# Altium PCB LimeSDR-Micro_1v2.PcbDoc (part 7 of 9) (continued)
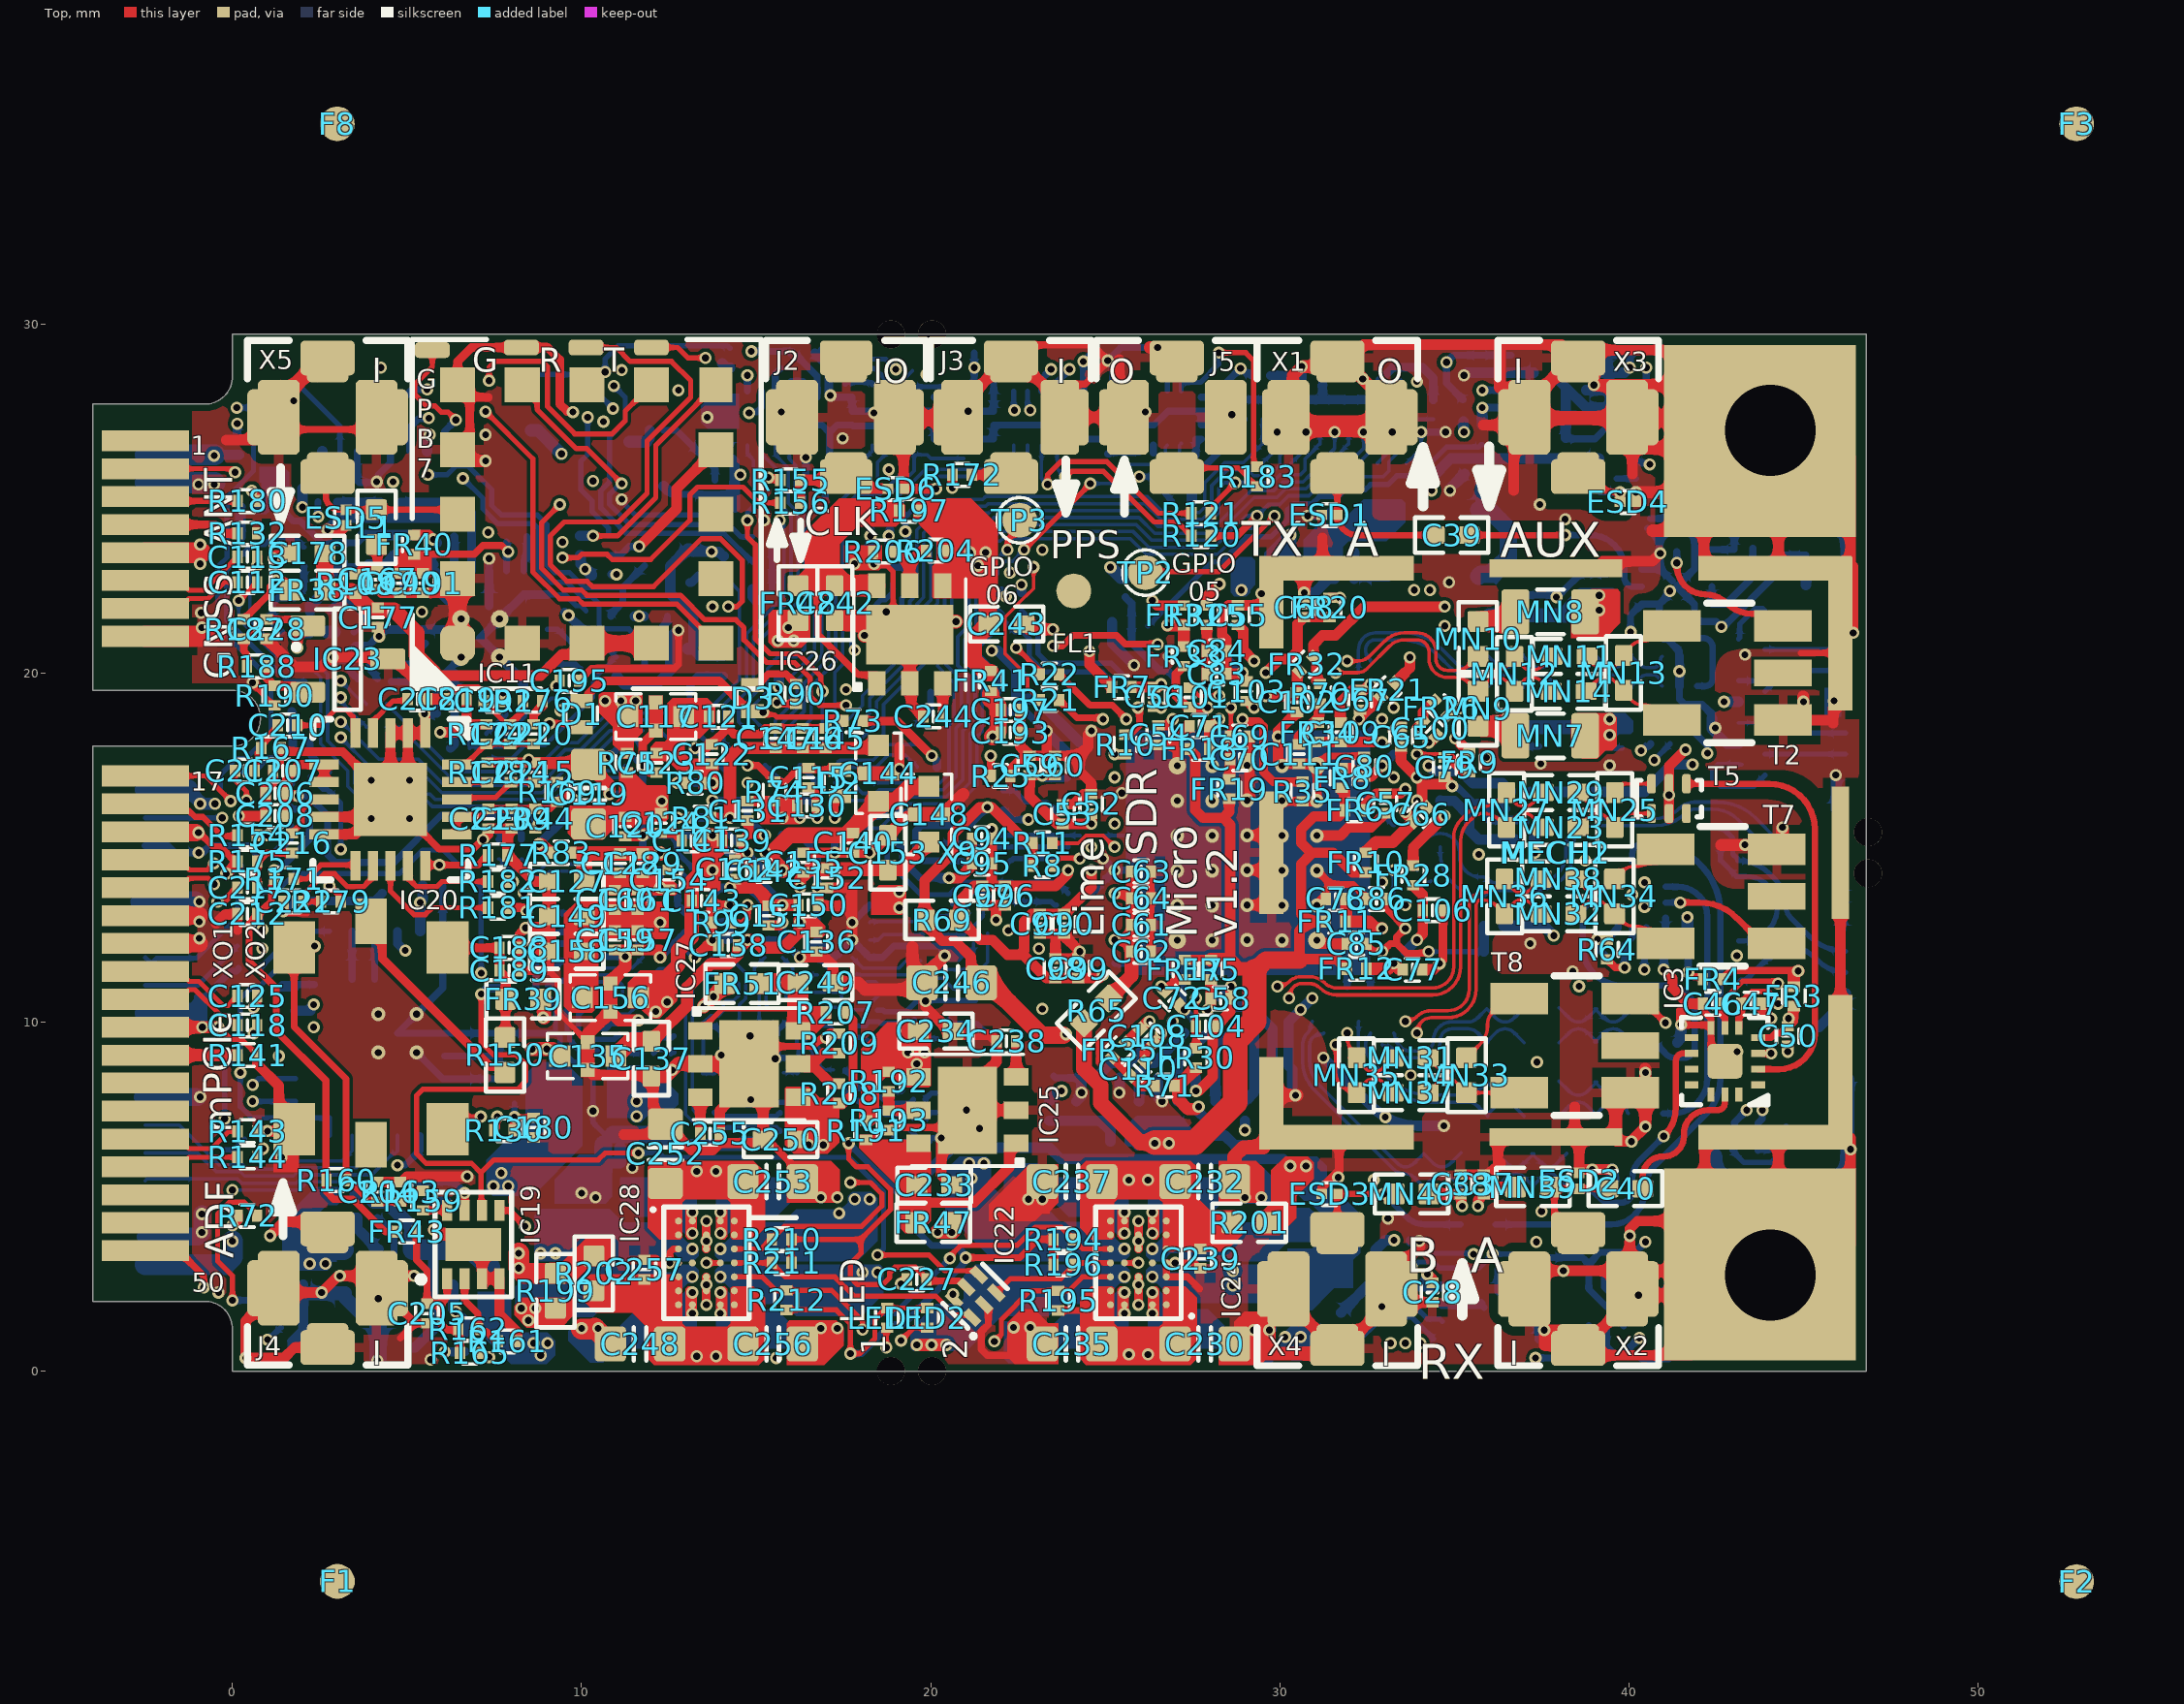
[diagram p0: Top view]
## Nets (pads, with @x,y where several pads share a name; then routed paths per layer and width w, separated by ;. In a path a pad name is that pad's centre, name@x,y a point inside that pad or via, vN(x,y) a via of type N, cw(c..) or ccw(c..) an arc to the next point about the centre after c; other vN are vias at no path point) (continued)
  Top w0.4: 16.55,14.375 17.025,14.375 18.775,14.375 19.175,14.375 C148.3@19.95,15.15
  L6 w0.35: v1(12.751,14.35) 12.751,13.714 12.418,13.38 12.109,13.38 11.776,13.047 11.776,12.653 12.054,12.375 13.14,12.375 13.665,12.9 14.937,12.9 15.201,13.164 15.201,13.436 15.565,13.8 16.201,13.8 v1(16.251,13.85)
  Bottom w0.2: v1(12.751,14.35) IC6.F5@13.251,13.85
VCC0P9_AFE_SVDD: C149.2 C150.1 C151.1 C156.3 C157.2 C158.2 C159.2 C160.2 C161.2 C162.2 IC6.D3 IC6.E6 IC6.E10 IC6.F7 IC6.F9 | length 6.1
  Top w0.35: v1(14.251,13.85) 15,13.85 15.5,13.35 v1(15.751,13.35) C150.1@16.19,13.35
  L6 w0.4: v1(12.251,12.85) 12.7,12.85 13.675,13.825 v1@14.226,13.825
  Bottom w0.25: IC6.E6@13.751,13.35 13.751,13.651 13.95,13.85 v1(14.251,13.85) ; IC6.F9@15.251,13.85 15.264,13.85 15.289,13.825 15.306,13.825 15.741,13.39 15.741,13.36 v1(15.751,13.35)
VCC0P9_SD_SVDD: C144.3 C145.2 C146.2 C147.2 IC6.K5 IC6.K7 R81.2 | length 7.5
  Top w0.25: R81.2@13.705,15.85 v1(14.251,15.85)
  Top w0.35: v1(14.251,15.85) 14.25,15.851 14.25,17.6 14.5,17.85 15.075,17.85 15.85,17.85 16.5,17.85 18.275,17.85 C144.3@18.35,17.925
  Bottom w0.25: IC6.K5@13.251,15.85 v1(14.251,15.85)
VCC1P4_LMS: C234.2 FR22.2 FR23.2 FR24.2 FR25.2 IC25.4 R191.2 R192.1 | length 60.3
  Top w0.3: 18.475,9.015 19.096,9.636 19.646,9.636 C234.2@19.65,9.64 ; FR25.2@27.909,21.935 27.909,22.184 v1(28.275,22.55)
  Top w0.6: IC25.4@19.65,8.425 C234.2@19.65,9.64
  L4 w0.6: v1(29,6.9) 30.425,6.9 30.8,7.275 32.05,7.275 32.625,7.85 33.938,7.85 37.75,11.662 37.75,12.275 41.825,16.35 v1@41.825,17.25
  L6 w0.5: v1@28.3,22.575 28.7,22.975 29.475,22.975 29.625,22.825 30.825,22.825 31.15,23.15 35.218,23.15 36.15,22.218 36.15,20.825 38.575,18.4 38.575,17.475 39.3,16.75 39.85,16.75 40.625,15.975 41.367,15.975 41.825,16.433 v1@41.825,17.3
  L6 w0.6: 19.775,8.925 20.125,8.575 20.975,8.575 21.25,8.85 22,8.85 22.225,9.075 28,9.075 28.5,9.575 29.05,9.575 29.425,9.2 29.425,8.625 29,8.2 v1(29,6.9)
  Bottom w0.3: v1(29,6.9) FR23.2@29,7.17 ; FR24.2@36.405,12.75 37.575,12.75 v1(37.85,12.475) ; FR22.2@37.185,16.595 40.445,16.595 41.225,17.375 v1(41.825,17.375)
  other v1: 19.6,8.8 19.35,9.125 19.825,9.125
VCC1P5: C251.2 FR45.1 IC28.C4 L6.2 | length 1.4
  Bottom w0.1: C251.2@16.925,3.8 17.075,3.65 18.275,3.65
  other v1: 8.825,0.45 8.625,0.8 9.025,0.8 13.975,3.5 17.375,4.525 17.825,4.925 18.25,4.925
VCC1P8: C130.2 C131.2 C135.1 C163.2 C165.2 C172.2 C174.2 C240.2 C260.1 IC6.K1 IC6.K9 IC6.K11 IC6.L10 IC8.5 IC8.14 IC8.15 IC10.5 IC10.6 IC10.14 IC10.15 IC12.6 IC12.14 IC12.15 IC12.16 IC13.5 IC13.6 IC13.14 IC13.15 IC13.16 IC24.E4 IC29.1 IC29.3 J1.4 L4.2 R73.1 R74.1 R83.2 R87.2 R89.1 R110.1 R111.1 R112.1 R113.1 R114.1 R115.1 R116.1 R117.1 R118.1 R119.1 R139.1 R145.1 VT1.G VT2.G | length 134.6
  Top w0.2: C130.2@16.17,16.3 16.17,16.325 16.22,16.375
  Top w0.25: 15.251,15.85 15.251,16.149 ; C130.2@16.17,16.3 16.195,16.275 16.195,15.933 16.251,15.877 v1(16.251,15.85) ; R73.1@18.055,18.625 19.035,18.625 v1(20.03,17.63)
  Top w0.3: C131.2@14.75,16.33 R74.1@15.5,16.33
  Top w0.35: v1(8.775,15.095) 8.838,15.095 R83.2@9.083,14.85 ; C135.1@9.355,9.03 9.355,9.005 C135.1@9.375,9.025
  Top w0.4: v1(8.575,9.225) v1(9,9.225) 9.175,9.225 C135.1@9.375,9.025
  L3 w0.5: v1(8.575,9.225) 8.35,9.225 7.925,9.65 7.925,10.275 8.15,10.5 8.15,11.7 7.375,12.475 7.375,14.325 8.125,15.075 v1@8.725,15.075 ; v1@8.675,9.225 v1(9,9.225) ; 22.175,11.225 23.275,11.225 23.675,11.625 23.675,12.95 23.175,13.45 23.175,14.7 23.443,14.968 23.443,16.057 22.4,17.1 22.4,18.575 23.725,19.9 24.625,19.9 25.375,20.65 25.375,21.875 26.6,23.1 30.75,23.1 31.025,23.375 33.975,23.375 v1(35.85,25.25)
  L3 w1: v1@19.175,13.575 19.825,13.575 22.175,11.225 22.175,6.55 21.425,5.8
  L4 w0.35: v1(13.725,23.475) 13.3,23.05 13.3,19.775 14.8,18.275 19.385,18.275 v1(20.03,17.63)
  L6 w0.25: 18.7,14.075 19.2,14.575 19.2,16.575 19.5,16.875 19.5,17.1 v1(20.03,17.63)
  L6 w0.3: v1(13.725,23.475) 13.725,24.85 v1(14.55,25.675) 14.55,25.925 15,26.375 15.624,26.375 16.249,25.75 17.006,25.75 17.086,25.67 v2(17.1,25.67)
  L6 w0.45: 16.025,12.35 16.425,12.35
  L6 w0.5: v1(8.575,9.225) v1(9,9.225) 9.3,9.225 11.375,11.3 14.025,11.3 14.5,11.775 15.25,11.775 15.8,12.325 16.025,12.325 ; v1(15.751,15.85) 16.1,15.85 16.2,15.75 16.2,15.143 17.268,14.075 ; 16.475,12.375 16.75,12.375 17.15,12.775 17.15,13.05 17.35,13.25 17.35,13.993 17.268,14.075 ; v1@19.025,13.275 19.025,13.75 18.7,14.075 17.268,14.075
  Bottom w0.1: C240.2@22.45,3.65 C240.2@22.6,3.8
  Bottom w0.2: 10.775,15.85 IC6.K1@11.251,15.85 ; J1.4@12.47,25.23 12.584,25.116 14.385,25.116 ; IC8.14@16.525,27.5 IC8.15@16.525,27.1 16.884,27.1 17.1,26.884 ; R118.1@16.98,25 R118.1@16.98,25.025 C172.2@16.98,25.65 ; C172.2@17.03,25.625 R111.1@17.595,25.625 ; v2(17.1,25.67) 17.1,26.884 ; R117.1@26.955,25.575 26.955,25.6 27.005,25.65 27.575,25.65 28.35,26.425 28.35,26.975 28.225,27.1 IC10.15@27.75,27.1 IC10.14@27.75,27.5 ; R119.1@29.5,27.83 28.455,27.83 28.125,27.5 IC10.14@27.75,27.5 ; 17.1,26.884 17.316,27.1 IC12.6@17.75,27.1 17.775,27.075 19.225,27.075 19.65,27.5 IC12.14@20.1,27.5 IC12.15@20.1,27.1 IC12.16@20.1,26.7 IC13.5@21.8,26.7 IC13.6@21.8,27.1 23.212,27.1 23.612,27.5 IC13.14@24.15,27.5 IC13.15@24.15,27.1 IC13.16@24.15,26.7 IC10.5@25.4,26.7 IC10.6@25.4,27.1 26.4,27.1 26.8,27.5 IC10.14@27.75,27.5
  Bottom w0.25: v1(8.775,15.095) 9.53,15.85 10.775,15.85 ; VT1.G@13.145,20.69 13.362,20.473 R139.1@14.074,20.473 ; IC6.K9@15.251,15.85 v1(15.751,15.85) IC6.L10@15.751,16.35 ; v1(20.03,17.63) 20.18,17.48 R87.2@20.18,17.3 ; R119.1@29.5,27.83 R119.1@29.575,27.83 R114.1@30.4,27.83 R115.1@31.225,27.83 ; C165.2@31.225,28.45 R115.1@31.225,27.83 ; R112.1@34.4,27.83 34.4,28.441 34.091,28.75 33.234,28.75 32.875,28.391 R116.1@32.875,27.83 R113.1@32.05,27.83 R115.1@31.225,27.83
  Bottom w0.3: J1.4@12.35,25.35 J1.4@12.47,25.23 ; VT1.G@13.095,20.69 13.1,20.69 13.2,20.79 13.2,21.613 12.545,22.268 12.545,23.065 13.045,23.565 VT2.G@13.095,23.565 13.185,23.475 v1(13.725,23.475) 13.735,23.465 13.931,23.465 14.049,23.348 R145.1@14.074,23.348 ; IC8.5@14.175,26.625 14.175,26.25 14.38,26.045 R89.1@14.38,25.5 ; C174.2@14.385,24.737 14.385,25.116 R89.1@14.385,25.495
  Bottom w0.35: VT1.G@13.045,20.69 VT1.G@13.095,20.69 ; R89.1@14.41,25.675 v1(14.55,25.675)
  Bottom w0.5: IC29.3@35.7,22.775 35.75,22.825 36.075,22.825 36.55,23.3 36.55,24.126 36.301,24.375 36.001,24.675 IC29.1@35.855,24.675 ; IC29.1@35.7,24.675 IC29.1@35.855,24.675 ; C260.1@35.855,25.625 IC29.1@35.855,24.675
  other v1: 25.55,3.5 21.175,5.525 21.1,5.95 21.525,5.95 19.1,13.275 19.1,13.725
VCC1P8_AFE_OTVDD: C135.3 C136.2 C137.2 C138.2 IC6.C8 IC6.D11 | length 7.8
  Top w0.35: C137.2@12,9.45 12,9.5 12.075,9.575 12.125,9.575 13.025,10.475 13.025,10.988 13.712,11.675 14.2,11.675 14.48,11.955 14.48,12.079 v1(14.751,12.35) 14.95,12.35 15.175,12.125 15.775,12.125 16.375,12.725 C136.2@16.575,12.725
  Top w0.5: C135.3@10.975,9.025 11.4,9.45 C137.2@12,9.45 ; C136.2@16.575,12.725 C136.2@16.633,12.725
  other v1: 16.251,12.85
VCC1P8_AVDD_PLAT: C127.2 C128.1 C129.1 IC6.H3 R83.1 | length 3.3
  Top w0.35: R83.1@9.743,14.85 10.05,14.85 10.075,14.825
  Top w0.42: C127.2@10.075,14.025 10.075,14.825 v1@12.25,14.825
  other v1: 12.251,14.85
VCC1P8_LMK_VDDO: C193.1 C194.2 C195.2 C197.2 FR41.2 IC16.2 IC16.6 | length 19.4
  Top w0.5: FR41.2@21.725,19.395 21.725,19.25 21.925,19.05 21.925,18.325 v1(21.775,18.175)
  L4 w0.25: v1(9.275,19.625) 9.294,19.606 9.494,19.606 10.675,18.425 13.5,18.425 14.225,17.7 14.225,16.81 14.585,16.45 19.85,16.45 21.575,18.175 v1(21.775,18.175)
  L6 w0.25: v1(9.275,19.625) 9.625,19.975 v1(9.625,21.65)
  Bottom w0.25: v1@9.512,21.75 10.017,21.245 10.1,21.245 C194.2@10.125,21.22
VCC1P8_LMS: C29.2 C30.2 C31.1 C32.1 C33.2 C34.2 C35.1 C36.1 C243.2 FR26.2 FR27.1 FR28.1 FR29.2 FR30.2 FR31.2 FR32.2 FR33.2 FR41.1 IC26.4 MN1.2 MN2.2 MN7.2 MN8.2 R68.2 R70.2 R71.1 R197.2 R204.1 | length 79
  Top w0.3: 20.94,23.675 21.561,23.054 21.561,22.504 21.565,22.5 ; R70.2@31.15,19.68 31.125,19.68 31.125,19.705 31.05,19.78 31.05,20.362 30.948,20.464 30.966,20.481 30.966,20.816 31.225,21.075 31.6,21.075 32.425,21.9 v1(34.725,21.9) ; FR28.1@33.82,14.48 33.82,14.995 v1(34.725,15.9) ; FR26.2@34.823,18.802 35.01,18.989 v1(35.16,18.989)
  Top w0.35: v1(26.78,21.37) FR31.2@27.25,21.37 FR33.2@27.25,20.78 ; R71.1@27.005,8.175 R71.1@27.086,8.175 ; R71.1@27.061,8.15 R71.1@27.086,8.175 ; R71.1@27.111,8.175 R71.1@27.086,8.175 ; FR30.2@27.576,8.665 R71.1@27.086,8.175 ; v1@27.6,7.5 27.375,7.5 27.086,7.789 R71.1@27.086,8.175
  Top w0.5: 21.565,22.5 21.625,22.44 21.625,21.617 C243.2@21.625,21.4 ; C243.2@21.675,21.4 C243.2@21.625,21.4 ; FR41.1@21.725,20.005 21.595,20.005 21.225,20.375 21.225,20.95 21.625,21.35 C243.2@21.625,21.4
  Top w0.6: IC26.4@20.35,22.5 21.565,22.5
  L4 w0.35: 25.175,23.4 25.175,22.225 26.03,21.37 v1(26.78,21.37)
  L4 w0.5: 28.05,7.625 28.4,7.625 29.225,8.45 31.925,8.45 32.775,9.3 32.775,10.3 33.374,10.899 34.724,10.899 36.65,12.825 36.65,13.65 37.625,14.625 ; v1(34.725,21.9) 36.375,21.9 ; v1@34.8,15.9 37.5,15.9 ; v1@35.175,19.05 36.85,19.05 38.425,17.475
  L4 w1: 21.4,23.4 21.4,23.9 21.875,24.375 24.2,24.375 25.175,23.4 ; 25.25,23.325 29.125,23.325 29.375,23.075 30.6,23.075 31.225,23.7 35.075,23.7 36.225,22.55 36.225,22.05 ; 36.375,21.9 37.525,20.75 38.85,20.75 ; 37.625,14.625 37.625,15.75 38.425,16.55 38.425,17.475 39.25,18.3 39.25,20.35 38.85,20.75 ; 38.85,22.05 38.85,20.75
  Bottom w0.3: v1@27.6,7.5 27.93,7.17 FR29.2@28.15,7.17
  Bottom w0.35: v1(25.15,23.025) 25.445,22.73 R68.2@25.575,22.73 ; v1(37.305,14.85) FR27.1@37.305,15.205 FR27.1@37.305,15.28
  Bottom w0.4: MN1.2@35.9,18.55 36,18.45 36.234,18.45 C33.2@39.9,18.45 ; MN2.2@35.9,21.55 36,21.65 36.234,21.65 38.105,21.65 38.68,22.225 39.15,21.755 v1(39.15,21.8)
  other v1: 27.675,7.575 39.45,18.225 39.45,18.675 39.15,22.225 21.35,23.075 21.125,23.45 21.575,23.45
VCC1P25_LMS: C224.2 FR5.2 FR6.2 FR7.2 FR8.2 FR9.2 FR10.2 FR11.2 FR12.2 FR13.2 FR14.2 FR15.2 FR16.2 FR17.2 FR18.2 FR19.2 FR20.2 FR21.2 IC21.4 R65.1 R184.2 R186.1 | length 119.7
  Top w0.3: v1(24.55,20.625) 24.55,20.237 FR7.2@25.192,19.595 ; FR17.2@27.275,11.78 FR5.2@28.025,11.78 ; FR18.2@27.42,17.825 27.42,17.8 27.58,17.64 27.58,16.07 27.8,15.85 28.375,15.85 ; FR19.2@28.55,16.395 28.55,16.025 28.375,15.85 ; 28.575,11.78 28.575,15.65 28.375,15.85 ; FR11.2@31.32,12.875 30.833,12.875 ; FR20.2@31.425,22.155 v1(31.725,22.155) ; FR8.2@31.772,16.71 31.797,16.71 31.797,16.685 31.867,16.615 FR6.2@31.867,16.065 31.867,16.04 31.842,16.04 31.692,15.89 30.978,15.89 30.615,15.526 30.615,15.135 30.9,14.85 ; FR12.2@31.92,11.525 31.645,11.8 30.565,11.8 30.565,12.607 30.833,12.875 ; FR10.2@32.484,14.29 FR10.2@32.459,14.29 32.085,14.29 31.525,14.85 30.9,14.85 ; FR21.2@33.295,19.713 33.725,20.143 v1(33.725,20.443) ; v1(35.025,18.125) FR9.2@35.426,17.724 ; 30.833,12.875 30.615,13.093 30.615,14.526 30.9,14.812 30.9,14.85
  Top w0.4: FR5.2@28.025,11.78 28.57,11.78 28.825,11.525 29.25,11.525
  Top w0.45: R65.1@24.393,9.968 24.393,8.657 24.875,8.175 24.875,7.675 26,6.55 v1@26.42,6.55
  Top w0.5: 29.275,11.45 29.6,11.775 30.565,11.775
  Top w0.7: v1@26.42,6.55 27.575,6.55 28.725,7.7 28.725,9.475 29.275,10.025 29.275,11.45
  L4 w0.11: 26.269,18.728 26.269,19.276
  L4 w0.25: v1(24.55,20.625) 24.775,20.625 25.575,19.825 25.721,19.825 26.269,19.276 ; 26.269,18.728 26.269,18.556 26.775,18.05 27.7,18.05 27.975,17.775 30.025,17.775 30.116,17.775 30.525,18.184
  L4 w0.3: 30.525,18.184 30.845,18.505
  L4 w0.6: 22.646,5.875 22.646,7.229 21,8.875 21,12.875 21.625,13.5 23.425,13.5 23.9,13.025 25.425,13.025 25.875,12.575 25.875,11.5 25.6,11.225 25.6,9.625 26.175,9.05 27.85,9.05 28.325,9.525 30.587,9.525 31.725,10.663 31.725,17.625 30.845,18.505 ; 30.825,18.6 30.825,21.6 31.38,22.155 v1(31.725,22.155) 32.013,22.155 v1(33.725,20.443)
  L4 w1: 2.66,3.5 3.425,3.5 6.375,6.45 9.425,6.45 9.875,6 10.325,6 10.6,5.725 ; 11.175,5.05 11.825,5.05 12.4,5.625 12.4,5.981 12.994,6.575 14.725,6.575 16.075,5.225 16.075,4.525 16.925,3.675 17.621,3.675 18.096,4.15 18.825,4.15 19.425,4.75 21.521,4.75 22.646,5.875 23.45,5.875 24.275,6.7 25.7,6.7
  L6 w0.3: v1(33.725,20.443) 34.675,19.493 34.675,18.65 35.025,18.3 v1(35.025,18.125)
  Bottom w0.3: C224.2@1.91,3.575 C224.2@2.01,3.475 ; C224.2@2.25,3.5 2.344,3.594 R186.1@2.344,4.367 R186.1@2.344,4.392 ; FR16.2@25.705,6.575 25.705,6.905 25.945,7.145 25.945,7.17 FR15.2@25.97,7.17 27.05,7.17 FR14.2@27.075,7.17 27.1,7.17 27.1,7.12 27.47,6.75 28.425,6.75 28.7,6.475 29.375,6.475 29.8,6.9 FR13.2@29.8,7.17
  Bottom w0.6: 2.41,3.475 IC21.4@3.175,3.475
  other v1: 2.21,3.075 2.66,3.075 26.42,6.525 26.825,6.525
VCC1P35: C117.1 R75.2 R200.2 R203.2 | length 22.9
  L3 w0.5: v1(10.675,19.2) v1(11.125,19.2) v1(11.55,19.2) 12.9,19.2 13.825,20.125 18.375,20.125 19.875,21.625 19.875,23.35 20.85,24.325 27.475,24.325 27.85,23.95 v1(30.3,23.95)
VCC1P35_AVDD_SD_PLL: C119.2 C120.2 C124.1 IC6.L3 R75.1
  other v1: 12.3,16.325
VCC1P35_LDO: C261.1 IC29.5 R203.1 R213.1
VCC1P35_SD_XVDD: C117.3 C121.2 C122.2 C123.2 IC6.M5 IC6.M6 R80.2 | length 2.9
  Top w0.3: R80.2@13.531,16.85 v1(13.751,16.85)
  Top w0.4: 12.363,17.738 C117.3@13.1,18.475 ; 12.65,17.584 12.884,17.35 13.531,17.35 ; C117.3@12.826,18.651 C117.3@12.925,18.75
  Bottom w0.25: IC6.M5@13.251,16.85 v1(13.751,16.85)
VCC1P35_SW: C236.2 IC24.C2 L3.2 R200.1 | length 32.2
  L3 w0.5: v1(28.65,2.45) v1(28.65,2.875) 28.075,3.45 28.075,6.017 27.042,7.05 23.85,7.05 23.225,7.675 23.225,8.35 23.85,8.975 27.75,8.975 29.125,10.35 29.125,11.375 29.54,11.79 30.735,11.79 30.785,11.74 31.313,11.74 31.675,12.102 31.675,17.95 30.625,19 30.625,20.225 28.9,21.95 v1@28.9,22.325
  Bottom w0.1: C236.2@29.3,2.4 C236.2@29.45,2.55
  other v1: 26.35,2.7 28.9,22.375
VCC1P75: C254.2 FR47.1 IC28.C2 L7.2 | length 27.3
  L3 w0.43: 11.74,12.36 12.761,12.36 13.241,12.84 13.954,12.84 14.241,12.553 14.241,11.684 15.5,10.425 16.85,10.425 19.425,7.85 19.85,7.85 20.79,6.91 20.79,6.354 20.61,6.174 20.61,4.24
  L3 w0.5: 8.9,3.6 8.9,5.525 10.2,6.825 10.65,6.825 10.85,7.025 10.85,8.079 10.5,8.429 10.5,11.867 11.033,12.4 11.7,12.4 11.74,12.36
  Bottom w0.1: 8.875,3.65 10.075,3.65 C254.2@10.225,3.8
  other v1: 8.825,3.375 9.25,3.375 13.175,3.5 20.2,3.975 20.6,3.975
VCC2P05: C258.2 FR48.1 IC28.E4 L8.2 | length 69.3
  L4 w1: 15.825,21.5 16.075,21.75 16.075,22.725 16.725,23.375 16.725,24.325 17.45,25.05 19.2,25.05 19.375,25.225 ; 19.675,25.9 20.4,26.625 29.104,26.625 29.704,26.025 37.65,26.025 39.225,24.45 39.225,24.004 40.25,22.979 40.25,22.154 40.879,21.525 41.675,21.525 42.25,22.1 42.971,22.1 44.225,20.846 44.225,18.7 45.075,17.85 45.075,16.775 45.6,16.25 45.6,13.425 45.8,13.225 45.8,7.99 44.21,6.4 42.95,6.4 41.575,7.775 39.854,7.775 38.175,6.096 38.175,5.125 38.9,4.4 38.9,2.5 38.425,2.025 37.1,2.025 36.2,1.125 33.225,1.125
  Bottom w0.1: C258.2@16.925,2.4 17.075,2.55 18.275,2.55
  other v1: 33.175,0.8 33.6,0.8 34.025,0.8 13.975,2.7 18.05,2.825 18.475,2.825 15.625,20.925 16.075,20.925 15.925,21.3
VCC3P3: C164.1 C166.1 C168.1 C173.1 C175.1 C179.1 C181.1 C227.1 C245.2 FR1.2 FR49.1 FR50.1 IC8.13 IC9.5 IC10.13 IC12.13 IC13.13 IC14.8 IC15.5 IC22.5 LED1.A LED2.A R130.1 R138.1 R146.1 R185.2 R194.1 R196.1 R198.2 R201.2 R210.1 R211.1 R212.1 X6.8 X7.8 X8.1 | length 210
  Top w0.15: R212.1@15.863,1.752 17.293,1.752 17.7,1.345 v1(17.7,0.5) 17.975,0.5 18.4,0.925 18.4,1.475 LED1.A@18.73,1.805 ; R211.1@16.085,3 16.01,3.075 R210.1@16.01,3.775 18,3.775 ; v1(17.65,6.525) 17.65,6.075 17.875,5.85 18.2,5.85 18.85,5.2 18.85,4.625 18,3.775 ; LED1.A@18.705,1.805 LED1.A@18.73,1.805 ; LED1.A@18.74,1.815 LED1.A@18.73,1.805 ; C227.1@19.88,2.625 19.88,2.65 19.555,2.975 18.975,2.975 18.825,2.825 18.825,2.68 18.62,2.475 17.905,2.475 17.7,2.68 17.7,3.078 18,3.378 18,3.775 ; LED2.A@19.9,1.805 LED1.A@18.73,1.805
  Top w0.2: R130.1@7.495,6.9 7.564,6.969 v1@7.564,7.211 ; C227.1@19.88,2.58 20.809,2.58 20.983,2.406 IC22.5@21.019,2.406 ; v1(21,3.25) 22.55,3.25 23.075,3.775 R194.1@23.515,3.775
  Top w0.25: R196.1@23.515,3.05 R194.1@23.515,3.775
  L3 w0.2: v1(10.325,25.5) 12.55,27.725 13.1,27.725 14.588,29.213 v1(14.863,29.213)
  L3 w0.4: v1(30.3,5.875) v1(30.75,5.875) 31.225,6.35 33.705,6.35 34.45,5.605 34.45,4.355 34.78,4.025 34.78,1.998 35.278,1.5 36.225,1.5 36.375,1.65 39.6,1.65 v1(40.3,0.95)
  L4 w0.15: v1(38.575,11.025) 38.9,11.35 38.9,11.675 40.175,12.95 40.595,12.95 40.8,13.155 40.8,13.975 42.85,16.025 42.85,18.996 42.725,19.121 v1(42.725,19.175)
  L4 w0.2: v1(5.375,13.425) 5.675,13.125 5.675,11.35 ; v1(17.7,0.5) v1@17.729,0.529 ; v1(30.75,5.875) 31.05,6.175 33.225,6.175 38.075,11.025 v1(38.575,11.025)
  L4 w0.25: 5.675,11.35 3.825,11.35 3.475,11 2.259,11 1.925,10.666 1.925,9.6 2.2,9.325 2.85,9.325 3.175,9.65 5.7,9.65 6.075,9.275 8.025,9.275 8.375,9.625 9.375,9.625 9.575,9.425 10.59,9.425 11.265,8.75 12.148,8.75 12.423,9.025 12.754,9.025 12.988,8.791 12.988,8.337 13.525,7.8 ; v1(7.586,7.289) 7.586,7.536 7.75,7.7 9.4,7.7 10.275,6.825 12.2,6.825 12.8,7.425 13.15,7.425 13.525,7.8 ; v1(17.65,6.525) 17.15,6.025 16.325,6.025 15,7.35 14.225,7.35 13.775,7.8 13.525,7.8 ; v1(24.375,28.925) 24.375,28.4 24.4,28.375
  L4 w0.3: v1(2,24.75) 2,24.198 3.25,22.948 ; 4.6,25.2 v1(4.6,25.475) ; 4.625,25.175 4.825,24.975 ; 5.688,11.362 6.675,10.375 7.35,10.375 7.8,10.825 7.8,11.85 7.225,12.425 7.225,14.674 7.6,15.049 7.6,15.425 6.075,16.95 6.075,17.3 5.425,17.95 5.425,18.275 4.65,19.05 4.65,21.201 3.25,22.601 3.25,22.948 ; v1(34.775,28.9) 32.249,28.9 31.699,28.35 29.25,28.35 v1(28.875,28.725) 28.525,28.375 24.4,28.375 24.25,28.225 21.775,28.225 v1(21.25,28.75) 20.375,27.875 17.95,27.875 17.55,27.475 16.776,27.475 15.951,26.65 12.6,26.65 11.825,25.875 10.7,25.875 v1(10.325,25.5) 9.075,25.5 8.55,24.975 4.825,24.975 ; 3.25,22.948 4.45,24.148 4.45,24.6 4.825,24.975
  L4 w0.35: v1(30.3,5.875) v1(30.75,5.875)
  L6 w0.2: v1(10.325,25.5) 10.7,25.875 11.275,25.875 12.025,25.125 12.025,23.4 11.875,23.25 11.875,21.85 v1(11.65,21.625) ; v1(38.575,11.025) 38.85,10.75 42.75,10.75 v2(43.15,10.35)
  L6 w0.3: v2(0.35,6.65) 0.35,6.25 0.9,5.7 2.8,5.7 3.825,6.725 7.325,6.725 7.586,6.986 v1(7.586,7.289)
  Bottom w0.15: R185.2@-0.225,6.34 0.04,6.34 v2(0.35,6.65)
  Bottom w0.2: v1(14.863,29.213) 16.034,29.213 16.75,28.497 16.75,28.475 16.75,28.226 16.75,27.9 IC8.13@16.525,27.9 ; v1(17.65,6.525) 19.2,4.975 19.2,4.425 20.025,3.6 20.705,3.6 20.925,3.38 20.925,3.366 21,3.291 v1(21,3.25) 21,3.125 19.212,1.338 18.857,1.338 18.02,0.5 v1(17.7,0.5) ; IC12.13@20.1,27.9 20.75,27.9 21.25,28.4 v1(21.25,28.75) 21.247,28.753 21.247,29.172 C166.1@21.245,29.175 ; IC13.13@24.15,27.9 24.375,27.9 24.375,28.905 C173.1@24.645,29.175 ; IC10.13@27.75,27.9 28.05,27.9 v1(28.875,28.725) 28.916,28.725 29.041,28.6 29.12,28.6 29.17,28.55 C175.1@29.17,28.525 ; FR1.2@35.25,27.83 35.225,27.83 35.175,27.88 35.175,27.905 34.775,28.305 v1(34.775,28.9) 34.975,29.1 C179.1@35.73,29.1 IC14.8@36.625,29.1
  Bottom w0.22: IC9.5@39.35,1.3 39.35,0.7 39.575,0.475 39.825,0.475 v1(40.3,0.95)
  Bottom w0.3: v1(2,24.75) 2,25.275 2.575,25.85 X8.1@2.575,26.35 ; IC15.5@5.375,12.6 v1(5.375,13.425) 5.375,13.439 5.445,13.509 C181.1@5.445,13.9 ; R146.1@11.525,21.625 v1(11.65,21.625) R138.1@11.775,21.625 ; 19.201,4.974 20.626,6.4 23.4,6.4 23.725,6.075 30.099,6.075 v1(30.3,5.875) ; v1(42.725,19.175) X7.8@43.142,19.175
VCC3P3_CLK: C133.2 C134.1 C187.2 C203.2 C209.1 C212.2 C213.2 C250.2 FR38.1 FR39.2 FR40.1 FR42.1 FR43.1 FR44.1 IC7.1 IC17.5 IC18.5 IC20.16 IC20.17 IC27.4 R158.2 R160.1 R169.2 R171.1 R187.2 R207.2 R208.1 | length 108.9
  Top w0.2: R187.2@0.325,21.537 0.35,21.537 0.4,21.587 0.4,21.612 1.075,22.288 1.075,22.475 v1(1.25,22.65) 1.5,22.65 FR38.1@1.725,22.425 ; C212.2@0.655,13.05 C212.2@0.705,13.1 0.705,13.125 C212.2@0.755,13.175 ; R171.1@1.195,14.1 1.145,14.05 1.145,13.938 1.115,13.908 1.115,13.462 0.475,12.822 0.475,11.75 1.25,10.975 1.25,9.75 2.675,8.325 2.675,5.485 R160.1@2.69,5.47 2.69,5.135 2.9,4.925 3.45,4.925 4.38,3.995 FR43.1@4.715,3.995 ; IC20.16@6.425,15.375 IC20.17@6.425,15.875 6.445,15.895 7.115,15.895 7.25,16.03 7.25,16.055 7.3,16.105 C213.2@7.325,16.105 C209.1@8,16.105 FR44.1@8.675,16.105 9.095,16.105 9.225,16.235 9.225,16.26 9.275,16.31 R169.2@9.3,16.31 9.35,16.36 9.398,16.36 9.638,16.6 v1(9.925,16.6)
  Top w0.25: 16.975,7.625 17.468,7.625 17.775,7.932 17.775,10.055 R207.2@17.555,10.275
  Top w0.3: R171.1@1.195,14.1 v1(1.195,14.35) ; FR40.1@5.2,23.955 5.62,23.955 v1(5.75,23.825) ; C250.2@16.2,6.635 16.204,6.639 16.754,6.639
  Top w0.4: v1@8.925,10.125 FR39.2@8.925,10.65
  Top w0.6: C250.2@16.2,6.635 IC27.4@16.2,7.85
  L3 w0.3: v1(1.195,14.35) 1.9,13.645 ; 5.85,23.65 5.85,19.925 4.525,18.6 4.525,15.375 3.525,14.375 2.6,14.375 1.9,13.675 1.9,13.645 ; v1(8.9,10.125) 9.275,10.125 ; v1@9.975,16.6 9.975,13.525 9.5,13.05 9.5,10.35 9.275,10.125 ; 1.9,13.645 1.9,11.8 2.125,11.575 5.3,11.575 5.625,11.9 7.226,11.9 7.55,11.576 7.55,10.624 7.35,10.424 7.35,9.475 8.1,8.725 9.3,8.725 9.5,8.925 9.5,9.9 9.275,10.125
  L4 w0.25: v1(5.75,23.825) 7.425,22.15 11.45,22.15 13.3,24 14.075,24 14.6,23.475 14.6,20.625 15.227,19.998 17.748,19.998 19.275,21.525 v1(19.275,24.05)
  L4 w0.55: v1@9,10.125 10.6,10.125 11.375,9.35 11.925,9.35 12.175,9.6 12.886,9.6 13.45,9.036 ; 13.502,8.681 13.502,8.548 13.7,8.35 15.2,8.35 16.725,6.825
  L6 w0.3: v1(1.25,22.65) 1.825,23.225 2.84,23.225 3.44,23.825 v1(5.75,23.825)
  Bottom w0.15: R158.2@18.673,21.152 19.175,21.654 19.175,22.143 19.35,22.318 19.35,22.825 19.175,23 18.962,23 18.912,23.05 19.125,23.05 19.35,23.275 19.35,23.975 v1(19.275,24.05) 19.275,24.475 C203.2@19.452,24.652
  Bottom w0.2: v1(1.195,14.35) 1.224,14.379 1.348,14.379 2.205,15.235 C187.2@2.205,15.6 2.205,15.845 1.95,16.1 1.72,16.1 1.5,16.32 1.5,16.63 1.7,16.83 1.7,17.012 IC17.5@1.725,17.037 ; FR42.1@1.355,24.675 1.414,24.675 1.739,24.35 1.945,24.35 2.57,23.725 3.575,23.725 IC7.1@3.75,23.9
  Bottom w0.3: IC7.1@3.725,23.95 C133.2@4.675,23.95 C134.1@5.325,23.95 5.625,23.95 v1@5.85,23.725
  other v1: 16.5,6.475 16.925,6.475
VCC3P3_GNSS: C177.2 C178.2 FR38.2 IC11.14 IC11.15 R108.2 | length 12.3
  Top w0.3: 5.75,19.925 8.825,19.925 9.425,20.525 IC11.15@9.875,20.525
  Top w0.45: C178.2@2.65,23.425 FR38.2@2.65,22.375 2.67,22.355 3.405,22.355 3.65,22.11 ; 3.805,21.955 3.65,22.11 ; 5.75,20.025 5.275,20.5 5.275,21.155 4.63,21.8 3.96,21.8 3.65,22.11 ; IC11.15@9.875,20.575 IC11.15@10.15,20.85 IC11.14@12,20.85
VCC3P3_LMK: C190.1 C191.2 C192.2 C196.2 FR40.2 IC16.8 IC16.23 R149.2 | length 13.2
  Top w0.2: FR40.2@5.2,23.37 5.23,23.4 6.925,23.4 7.175,23.65 7.708,23.65 7.883,23.475 v1(7.9,23.475)
  Top w0.25: C192.2@7.75,19.18 v1(7.75,19.425)
  L6 w0.2: v1(7.75,19.425) 7.275,19.9 5.85,19.9 5,20.75 5,21.9 5.475,22.375 6.225,22.375 6.725,22.875 7.575,22.875 7.9,23.2 v1(7.9,23.475)
  Bottom w0.12: C196.2@7.27,18.25 7.27,18.275 7.36,18.365 7.385,18.365 7.745,18.725 7.79,18.725 7.85,18.785 IC16.8@7.85,19.075
  Bottom w0.2: IC16.23@7.85,22.925 R149.2@7.85,23.755
VCC3P3_LMK_VDDO: C198.1 C199.2 C200.2 C201.2 FR42.2 IC16.14 IC16.18 | length 16
  L6 w0.2: v2(1.45,25.575) 1.9,25.575 2.775,24.7 7.475,24.7 7.825,24.35 7.825,23.95 7.525,23.65 6.975,23.65 6.075,22.75 v2(4.9,22.75) 4.625,22.475 4.625,20.839 v2(4.386,20.6)
  Bottom w0.2: C199.2@4.155,19.825 4.105,19.875 4.105,19.938 3.949,20.094 3.949,20.381 3.93,20.4 4.005,20.475 4.009,20.475 4.134,20.6 v2(4.386,20.6) 4.736,20.25 IC16.14@5.175,20.25 ; v2(4.9,22.75) 4.9,22.296 4.946,22.25 IC16.18@5.175,22.25
VCC3P3_MPCIE: C225.2 FR46.1 R72.1 R147.2 X9.2 X9.52 | length 49.2
  Top w0.3: v1(0,4.169) 0,4.182 0.145,4.327 R72.1@0.145,4.45
  L4 w0.5: -1.025,26.225 -1.575,25.674 -1.575,21.25 -1.05,20.725 0.899,20.725 1.704,19.92 1.704,18.01 0.769,17.075 -1.3,17.075 -2.025,16.35 -2.025,6.425 0,4.4 v1(0,4.169) 0,3.9 v1(0,3.72) ; -0.975,26.225 v1@-0.6,26.225
  L4 w1: 0,3.9 1.25,5.15 2.725,5.15 5.275,7.7 6.175,7.7 6.925,8.45 10.54,8.45 11.44,7.55 11.675,7.55
  Bottom w0.3: v1@-0.45,26.25 R147.2@0.183,26.25
  Bottom w0.6: X9.52@-2.5,3.05 -0.219,3.05 0,3.269 v1(0,3.72) ; X9.2@-2.5,26.25 v1@-0.5,26.25
  other v1: 11.575,7.3 11.575,7.725 -0.525,26.225
VCC3P3_RF: C247.1 FR2.1 FR3.2 FR4.2 FR49.2 | length 37
  Top w0.2: FR4.2@42.68,11.225 42.68,11.25 42.73,11.3 42.755,11.3 42.93,11.475 v1@44.85,11.475
  Top w0.35: FR3.2@44.725,11.065 44.725,11.34 v1(44.85,11.465)
  L4 w0.3: v1(30.15,0.975) v1(30.6,0.975) 31.925,2.3 34.375,2.3 34.75,2.675 36.018,2.675 36.575,3.232 36.575,5.925 39.475,8.825 40.149,8.825 40.299,8.975 40.651,8.975 40.801,8.825 42.8,8.825 42.975,8.65 44.7,8.65 45,8.95 45,10.3 44.85,10.45 v1(44.85,11.465)
  L6 w0.4: v1@44.875,11.49 44.875,18.55 44.525,18.9 44.525,19.372 45.075,19.922 v2(45.075,22.52)
  Bottom w0.3: v2(45.075,22.52) FR2.1@45.075,22.82
VCC3P3_RF_RX1: C37.1 C50.1 FR3.1 IC3.4 MN39.2 | length 15.2
  Top w0.2: IC3.4@43.702,9.55 44.072,9.55 44.197,9.675 44.345,9.675 C50.1@44.55,9.88
  Top w0.3: v1(35.675,4.725) 35.685,4.735 35.685,4.905 35.825,5.045 35.825,5.07 C37.1@35.85,5.07 36.07,5.07 36.275,5.275 MN39.2@36.75,5.275 ; C50.1@44.55,9.88 44.7,10.03 FR3.1@44.7,10.455
  L4 w0.3: v1(35.675,4.725) 35.675,6.05 39,9.375 40.817,9.375 40.967,9.225 42.5,9.225 42.95,9.675 44.35,9.675 44.575,9.9 v1(44.575,10.1)
VCC3P3_RF_RX2: C38.1 C51.1 FR4.1 IC4.4 MN40.2 | length 14.4
  Top w0.2: v1(41.7,11.425) 41.825,11.3 42.07,11.3 42.12,11.25 FR4.1@42.12,11.225
  Top w0.3: MN40.2@34.275,5.075 34.28,5.07 C38.1@35.175,5.07 35.2,5.07 35.2,4.764 35.225,4.739 v1(35.225,4.725)
  L4 w0.3: v1(35.225,4.725) 35.225,7.309 38.166,10.25 40.125,10.25 40.625,10.75 41.025,10.75 v1(41.7,11.425)
  Bottom w0.2: IC4.4@41.053,12.975 41.053,12.572 C51.1@41.69,11.935 ; v1(41.7,11.425) C51.1@41.7,11.945
VCC3P3_SW: C241.2 IC24.E2 L5.2 R198.1 | length 0.2
  Bottom w0.1: C241.2@29.3,3.8 C241.2@29.45,3.65
  other v1: 26.35,3.5
VCC_CLK: FR51.1 R199.2 R202.2 | length 17.4
  Top w0.4: v1(13.5,10.45) FR51.1@14.1,11.05
  Top w0.6: v1(8.2,3.375) v1(8.2,2.95) 8.35,2.8 R199.2@9.25,2.8
  L3 w0.45: v1(8.2,3.375) v1(8.2,2.95) 8.35,2.8 9.55,2.8 9.775,3.025 9.775,3.8 9.5,4.075 9.5,5.312 10.438,6.25 10.9,6.25 11.45,6.8 11.811,6.8 12.075,7.064 12.075,8.075 11.125,9.025 11.125,10.35 12.025,11.25 12.7,11.25 v1(13.5,10.45) v1(13.775,10.725)
VCC_CLK_SW: C259.2 IC28.E2 L9.2 R199.1 | length 1.4
  Bottom w0.1: 8.875,2.55 10.075,2.55 C259.2@10.225,2.4
  other v1: 8.475,1.45 8.275,1.8 8.675,1.8 13.175,2.7